# Altium PCB PCB1.PcbDoc (continued)
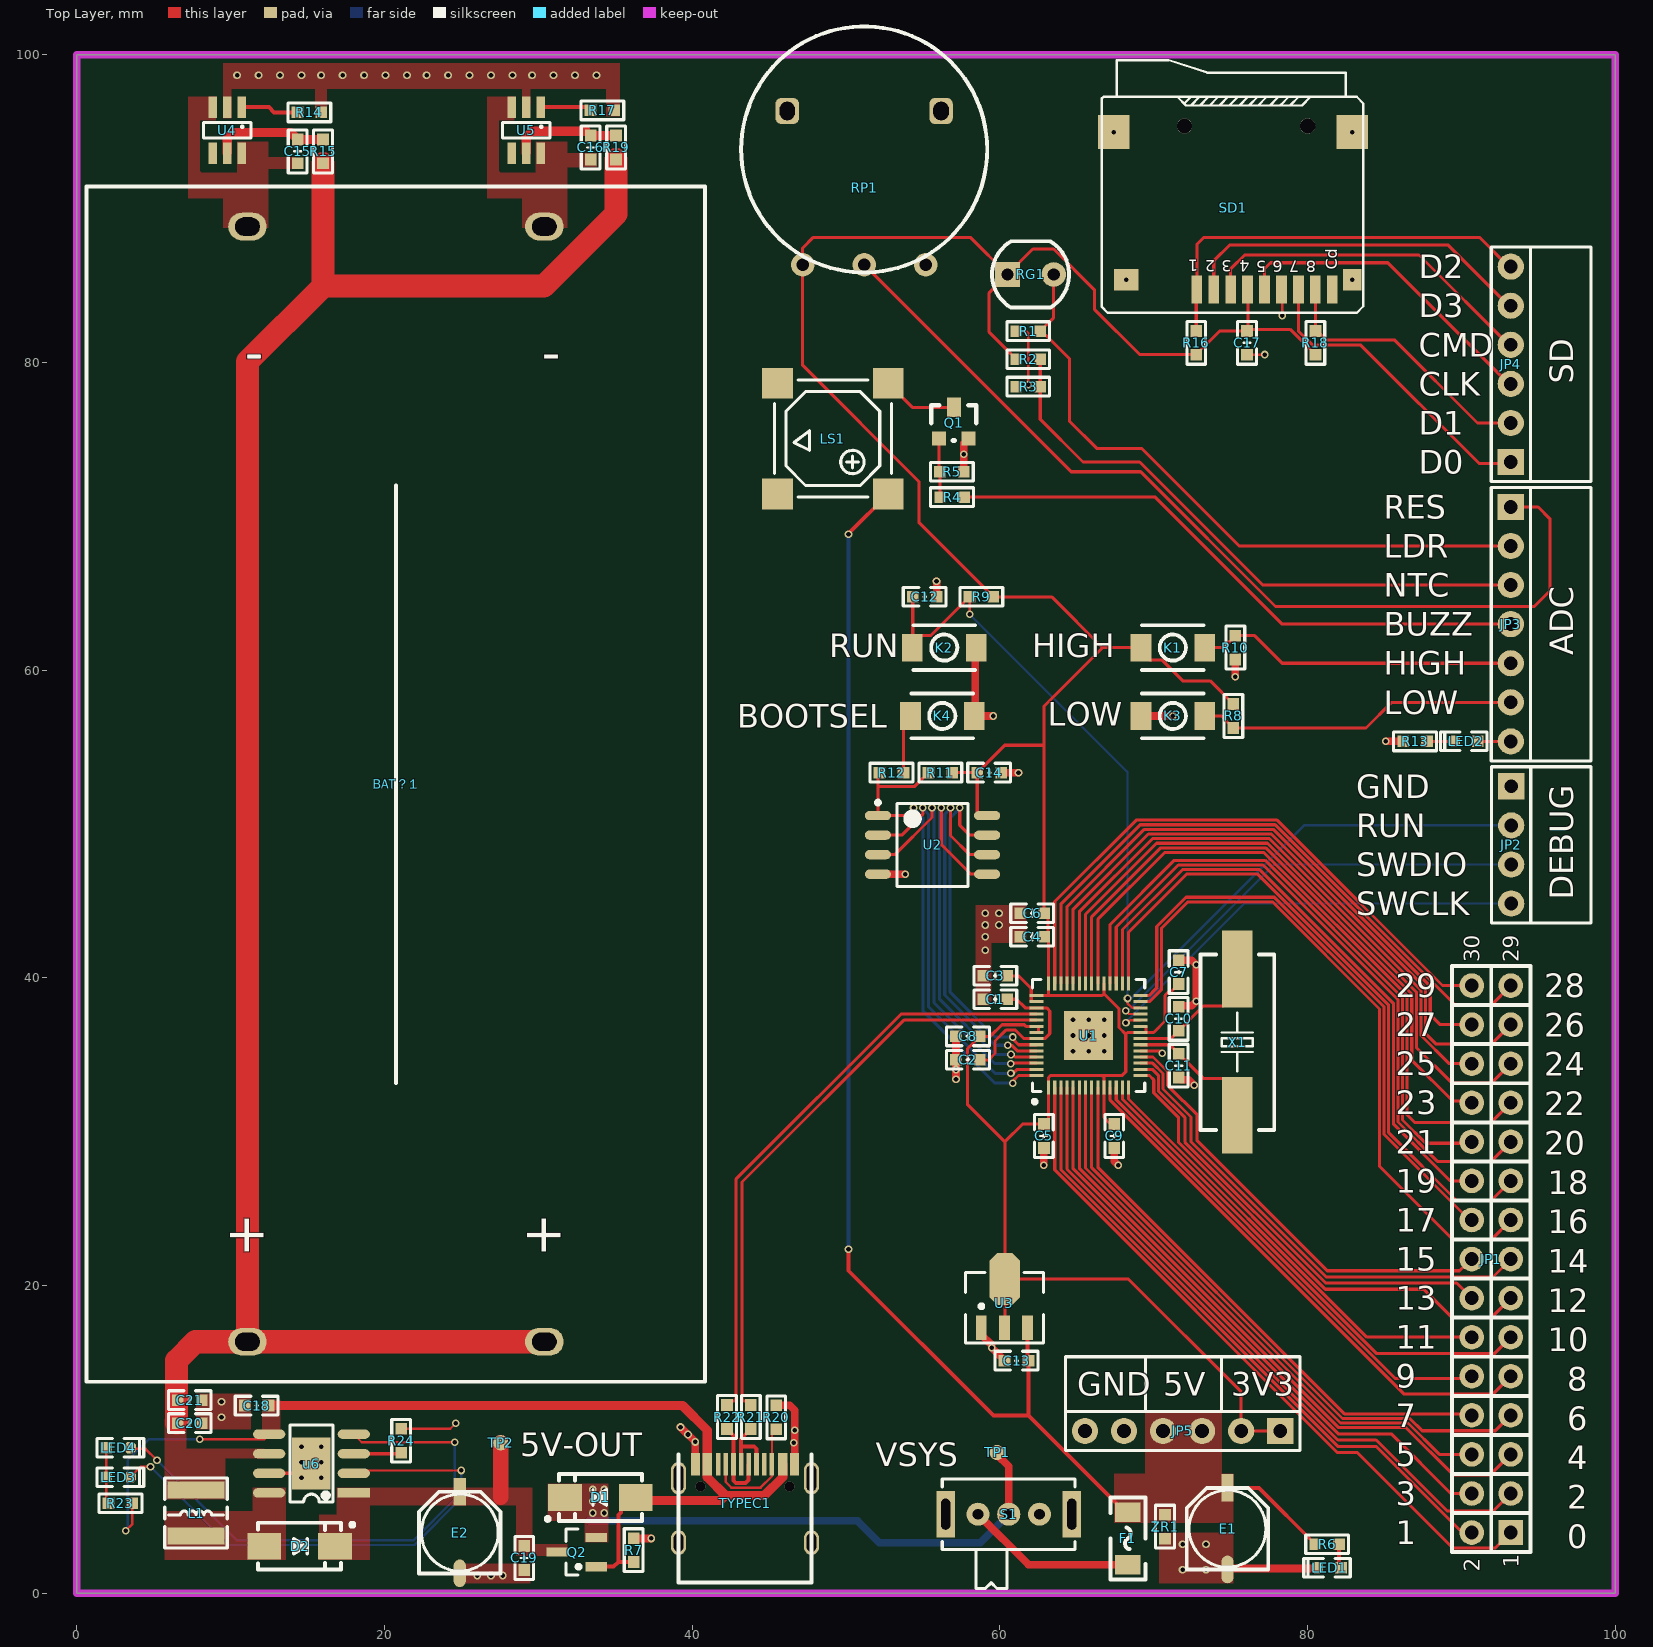
[diagram p0: Top Layer view]
## Footprints (in the part's own frame and the unit in brackets; to place one, negate y for a bottom-side part, rotate by r counter-clockwise, add the part's x,y. Pads: shape width x height; smd on the part's side, far side on the other; paste and mask are expansions set on the pad) (continued)
SMA [mm] "4.5x2.6*2.2mm（长宽高，不包括引脚）"
  rect 2.2x1.75 smd: 1(-2.3,0) 2(2.3,0)
  silkscreen extent -2.7,-1.52 3.56,1.52, body extent -2.53,-1.3 2.58,1.3, height 2.15
SOIC-8-208MIL [mm] "SOIC, 8-Leads, Body 5.28x5.28mm, Pitch 1.27mm, IPC Medium Density"
  oval 1.7x0.6 smd: 1(-3.55,1.905) 2(-3.55,0.635) 3(-3.55,-0.635) 4(-3.55,-1.905) 5(3.55,-1.905) 6(3.55,-0.635) 7(3.55,0.635) 8(3.55,1.905)
  silkscreen extent -3.67,-2.7 2.3,2.88, body extent -2.7,-2.7 2.7,2.7, height 1.95
SOT23 [mm]
  rect 0.6x1.4 smd: D(0.95,2.514) G(0,0) S(1.9,0)
  silkscreen extent -0.55,1.02 2.45,1.97, body extent -0.56,0.22 2.44,2.62, height 1.05
SOT23-6 [mm]
  rect 0.55x1.4 smd: 1(0,0) 2(0.95,0) 3(1.9,0) 4(1.9,3) 5(0.95,3) 6(0,3)
  silkscreen extent -0.6,0.99 2.5,2.01, body extent -0.55,0 2.45,2.81, height 1.15
SOT89 [mm]
  rect 0.7x1.6 smd: 1(0,0) 2(1.5,-0.003) 3(3,0)
  oct 2x3.4 smd: 2(1.525,3.172)
  silkscreen extent -1.04,-0.99 4.04,3.58, body extent -0.79,-0.37 3.81,3.93, height 1.6
SOT-23 [mil]
  rect 36x36 smd: 1(0,0) 2(75,0)
  rect 36x50 smd: 3(38,80)
  silkscreen extent -20,-5 95,85
"TEST 1" [mm] "测试点1mm"
  round 1 smd paste-1: 1(0,0)
TYPEC-16P [mm]
  oval 1x2.1 hole 1.7 slot 0.6 at 0 deg: 1(-4.32,-0.915) 2(4.32,-0.915)
  oval 1x1.6 hole 1.2 slot 0.6 at 0 deg: 3(4.32,-5.095) 4(-4.32,-5.095)
  rect 0.6x1.45 smd: A1B12(-3.225,0) A4B9(-2.45,0) A9B4(2.45,0) A12B1(3.225,0)
  rect 0.3x1.45 smd: A5(-1.25,0) A6(-0.25,0) A7(0.25,0) A8(1.25,0) B5(1.75,0) B6(0.75,0) B7(-0.75,0) B8(-1.75,0)
  round 0.65 hole 0.65 unplated: ""(-2.89,-1.445) ""(2.89,-1.445)
  silkscreen extent -4.32,-7.7 4.32,0.63
拨盘电位器 [mm]
  round 1.524 hole 0.8: 1(-4,-7.5) 2(0,-7.5) 3(4,-7.5)
  rrect50% 1.524x1.7 hole 1.2 slot 1 at 0 deg: ""(-5,2.5) ""(5,2.5)
  silkscreen extent -8,-8 8,8
轻触按键 [mm] "TS-1088"
  rect 1.35x1.8 smd: 1(-2.075,0) 2(2.075,0)
  silkscreen extent -2,-1.45 2,1.45

## Part data
C1: library part CAP, "靠近RP2040"
C2: library part CAP, "无极性电容"
C3 C4 C5 C6 C7 C8 C9 C10 C11 C12 C13 C14 C15 C16 C17 C18 C19 C20 C21: library part C, "无极性贴片电容", BOM名称=无极性贴片电容, 学习资源=www.ooocke.com, 材质=X7R, 版权归属=源创客
D1 D2: library part SS210, "肖特基二极管", BOM名称=肖特基二极管, 学习资源=www.ooocke.com, 版权归属=源创客
E1 E2: library part C-CM, "贴片电解电容", BOM名称=贴片电解电容, 学习资源=www.ooocke.com, 版权归属=源创客
F1: library part FU, "贴片保险丝", BOM名称=贴片保险丝, 学习资源=www.ooocke.com, 版权归属=源创客
JP1: library part "Header 15X2", "15*2P接插件", BOM名称=15*2P接插件, 学习资源=www.ooocke.com, 版权归属=源创客
JP2: library part "Header 4", "4P接插件", BOM名称=4P接插件, 学习资源=www.ooocke.com, 版权归属=源创客
JP3: library part "Header 7", "7P接插件", BOM名称=7P接插件, 学习资源=www.ooocke.com, 版权归属=源创客
JP4 JP5: library part "Header 6", "6P接插件", BOM名称=6P接插件, 学习资源=www.ooocke.com, 版权归属=源创客
K1 K2 K3 K4: library part 两脚轻触开关
L1: library part L-NR, "NR磁胶电感", BOM名称=NR磁胶电感, 学习资源=www.ooocke.com, 版权归属=源创客
LED1 LED2 LED3 LED4: library part LED-SMD, "贴片LED", BOM名称=贴片LED, 学习资源=www.ooocke.com, 版权归属=源创客
LS1: library part BEEP, "蜂鸣器", BOM名称=蜂鸣器, 学习资源=www.ooocke.com, 版权归属=源创客
Q1: library part 8050-SMD, "高频放大-NPN型", BOM名称=高频放大-NPN型, 学习资源=www.ooocke.com, 属性="40V 1.5A 1W 100MHZ", 版权归属=源创客
Q2: library part P-MOS, "P沟道场效应管"
R1 R2 R3 R4 R5 R6 R7 R8 R9 R10 R12 R13 R14 R16 R17 R18 R20 R21 R22 R23 R24: library part R, "贴片电阻", BOM名称=贴片电阻, 学习资源=www.ooocke.com, 版权归属=源创客
R11 R15 R19: library part RES
RG1: "光敏电阻"
RP1: library part RP-SMD, "贴片电位器", BOM名称=贴片电位器, 学习资源=www.ooocke.com, 版权归属=源创客
S1: library part SSW-1P, "1路波动开关", BOM名称=波动开关, 学习资源=www.ooocke.com, 版权归属=源创客
TP1 TP2: library part TEST, "测试点", BOM名称=测试点, 学习资源=www.ooocke.com, 版权归属=源创客
U3: "三端稳压芯片"
X1: library part XTAL-2P, "2脚无源脚晶振"
ZR1: library part R_VDR, "压敏电阻", BOM名称=压敏电阻, 学习资源=www.ooocke.com, 版权归属=源创客

## Via types
v1: diameter 0.5, hole 0.3, Top Layer to Bottom Layer, tented both sides, 106 vias
v2: diameter 0.5, hole 0.3, Top Layer to Bottom Layer, 3 vias

## Nets (pads, with @x,y where several pads share a name; then routed paths per layer and width w, separated by ;. In a path a pad name is that pad's centre, name@x,y a point inside that pad or via, vN(x,y) a via of type N, cw(c..) or ccw(c..) an arc to the next point about the centre after c; other vN are vias at no path point)
3V3: C3.2 C4.2 C5.2 C6.2 C7.2 C8.2 C9.2 C14.1 C17.1 JP5.1 JP5.2 K1.1 R2.1 R8.2 R9.1 R11.2 R16.2 R18.2 RG1.1 RP1.1 SD1.4 U1.1 U1.10 U1.22 U1.23 U1.33 U1.42 U1.43 U1.44 U1.48 U1.49 U2.8 U3.2 | length 213.4
  Top Layer w0.2: R11.2 C14.1 ; U2.8 58.734,50.546 58.532,50.748 C14.1 ; U3.2@60.298,17.248 60.323,17.274 U3.2@60.323,20.423 ; C3.2 61.214,40.132 62.045,39.301 62.045,38.449 U1.44 ; R2.1 59.309,81.973 59.309,84.534 RG1.1 ; U1.49 62.512,36.449 62.512,36.849 61.695,36.849 61.595,36.949 60.139,36.949 59.385,36.195 C8.2 57.912,35.403 57.912,31.747 60.323,29.335 ; U1.43 66.653,38.849 66.77,38.966 ; C6.2 62.88,55.118 ; C6.2@63.134,44.196 63.134,42.672 63.17,42.636 U1.42 63.17,38.849 ; U1.33 66.77,38.966 ; C9.2@67.183,30.495 66.77,30.908 U1.10 66.77,33.519 66.653,33.636 ; U1.22 68.302,36.449 68.185,36.332 ; U1.23 69.495,36.849 69.495,36.526 69.572,36.449 69.999,36.449 70.739,37.189 70.739,38.862 70.907,39.03 71.064,39.03 C7.2 ; R8.2 73.675,59.309 71.882,59.309 70.523,60.668 69.747,60.668 69.172,61.243 K1.1 66.675,61.468 ; SD1.4@76.129,84.82 C17.1@76.129,82.159 ; JP5.1 JP5.2 75.692,13.081 68.35,20.423 U3.2@60.323,20.423 ; R18.2@80.518,80.518 78.877,82.159 C17.1@76.129,82.159 ; C14.1 60.31,55.118 62.88,55.118 ; U3.2@60.323,20.423 60.323,29.335 ; 60.323,29.335 61.483,30.495 C5.2 63.17,30.8 U1.1 63.17,33.519 63.287,33.636 66.653,33.636 ; RG1.1 62.151,87.376 63.5,87.376 66.167,84.709 66.167,83.439 69.088,80.518 72.756,80.518 74.28,82.042 76.012,82.042 C17.1@76.129,82.159 ; RG1.1 58.087,88.138 47.879,88.138 47.181,87.44 RP1.1 47.181,79.819 54.737,72.263 54.737,69.611 R9.1 63.373,64.77 66.675,61.468 ; 62.88,55.118 62.88,57.673 66.675,61.468 ; 66.653,33.636 67.926,33.636 68.185,33.895 68.185,36.332 ; 66.77,38.966 67.742,37.994 67.742,36.774 68.185,36.332
5VOUT: C19.2 D2.2 E2.1 Q2.D TP2.1 u6.1 | length 3.6
  Top Layer w1: 27.559,6.223 TP2.1
+5: C13.2 E1.1 F1.2 JP5.3 JP5.4 LS1.1 R6.2 U3.3 ZR1.2 | length 89.2
  Top Layer w0.254: v1(50.165,22.352) 50.165,20.955 59.578,11.542 61.864,11.542 ; v1(50.165,68.834) 50.165,68.873 LS1.1 ; U3.3 61.798,15.179 C13.2 61.864,11.542 ; F1.2 68.135,5.271 61.864,11.542 ; E1.1 76.837,6.841 R6.2
  Bottom Layer w0.254: v1(50.165,22.352) v1(50.165,68.834)
ADC_LIGHT: JP3.2 R1.2 RG1.2 | length 42.8
  Top Layer w0.2: RG1.2 63.5,82.916 62.682,82.098 R1.2 62.907,81.761 63.019,81.761 63.768,81.012 64.516,80.264 64.516,76.2 66.294,74.422 69.215,74.422 75.565,68.072 JP3.2
ADC_RES: JP3.1 RP1.2 | length 61.8
  Top Layer w0.2: RP1.2 64.636,72.898 69.156,72.898 77.919,64.135 94.742,64.135 95.758,65.151 95.758,69.853 94.999,70.612 JP3.1
ADC_TEMP: JP3.3 R2.2 R3.2 | length 39
  Top Layer w0.2: R2.2 R3.2 62.626,76.312 65.405,73.533 69.088,73.533 77.089,65.532 JP3.3
B1-: BAT？1.4 C15.2 U4.3 U4.6 | length 0.3
  Top Layer w0.254: BAT？1.4@10.877,89.053 BAT？1.4
B2-: BAT？1.3 C16.2 U5.3 U5.6
BAT+: BAT？1.1 BAT？1.2 C20.2 C21.2 L1.2 R15.2 R19.2 u6.6 | length 132.9
  Top Layer w1: L1.2@6.527,6.711 7.743,6.711 L1.2
  Top Layer w1.5: C20.2@6.477,11.049 6.477,12.543 6.477,15.113 7.704,16.34 BAT？1.1 ; R15.2 16.002,84.963 ; BAT？1.2 BAT？1.1 ; R19.2 35.052,89.662 30.353,84.963 16.002,84.963 ; BAT？1.1 11.09,80.051 16.002,84.963
BEEPER: JP3.4 R4.1 | length 39
  Top Layer w0.2: R4.1@57.658,71.247 70.104,71.247 78.359,62.992 JP3.4
BOOTSEL: K4.2 R12.2 | length 3.9
  Top Layer w0.2: R12.2 53.736,56.573 K4.2
CC: R20.1 TYPEC1.A5 TYPEC1.B5 | length 7.8
  Top Layer w0.15: TYPEC1.A5 42.184,7.219 42.545,6.858 44.45,6.858 45.184,7.592 TYPEC1.B5 45.184,10.371 R20.1
D_N: R22.1 U1.46 | length 39
  Top Layer w0.2: R22.1 42.536,12.492 42.723,12.492 42.84,12.609 42.84,26.896 53.593,37.649 U1.46
D_P: R21.1 U1.47 | length 38.4
  Top Layer w0.2: R21.1 43.545,12.492 43.357,12.492 43.24,12.609 43.24,26.73 53.759,37.249 U1.47
GND: C1.1 C2.1 C3.1 C4.1 C5.1 C6.1 C7.1 C8.1 C9.1 C10.1 C11.1 C12.1 C13.1 C14.2 C17.2 C18.1 C19.1 C20.1 C21.1 E1.2 E2.2 JP2.1 JP5.5 JP5.6 K2.2 K3.1 K4.1 LED1.2 Q1.2 R1.1 R3.1 R5.1 R7.1 R10.1 R13.1 R14.1 R17.1 R20.2 R24.1 RP1.3 SD1.0 SD1.6 TYPEC1.A1B12 TYPEC1.A12B1 U1.19 U1.57 U2.4 U3.1 U4.2 U5.2 u6.7 u6.9 ZR1.1 | length 62.9
  Top Layer w0.15: R24.1 24.272,10.683 v1(24.638,11.049) ; R3.1 61.722,78.432 v1(61.849,78.559) 61.849,81.915 61.722,82.042 R1.1 ; C17.2 77.201,80.503 v1(77.216,80.518) ; SD1.6@78.329,84.82 78.359,84.79 v1(78.359,83.058)
  Top Layer w0.2: u6.7 15.25,7.79 u6.9 ; v1(65.77,36.249) U1.57@66.77,35.249 ; U1.19 70.406,35.249 v1(70.565,35.091)
  Top Layer w0.5: R7.1 36.21,3.556 v1(37.338,3.556) ; v1(39.243,10.795) v1(40.209,9.829) TYPEC1.A1B12 ; R20.2 46.34,12.207 46.659,11.888 v1(46.659,10.591) TYPEC1.A12B1 ; U2.4 v2(53.848,46.736) ; v1(55.88,65.786) 55.895,65.771 C12.1 ; v1(57.15,33.401) C2.1 C8.1 ; R5.1 57.658,74.752 Q1.2 ; K2.2 58.399,61.404 58.399,57.087 K4.1 v1(59.563,57.023) ; U3.1 58.798,16.802 59.472,16.128 v1(59.472,15.951) C13.1 ; C14.2 v1(61.214,53.34) ; v1(62.865,27.813) C5.1 ; C9.1 67.437,28.067 v1(67.691,27.813) ; K3.1 v1(71.247,57.023) ; C11.1 71.759,33.382 72.282,33.382 v1(72.644,33.02) ; C10.1 71.701,38.188 72.478,38.188 v1(72.771,38.481) v1(72.771,40.855) 72.478,41.148 C7.1 ; E1.2 74.858,1.596 80.575,1.596 LED1.2 ; v1(75.311,59.563) R10.1 ; v1(85.09,55.372) R13.1
  other v1: 26.035,1.143 26.924,1.143 27.686,1.143 71.882,1.524 73.406,1.524 71.882,3.175 73.406,3.175 14.605,7.493 14.605,8.509 14.605,9.525 15.875,9.525 46.609,9.779 39.726,10.312 9.398,11.43 9.398,12.446 57.15,34.036 64.754,35.233 65.77,35.233 66.786,35.233 64.754,36.249 66.786,36.249 64.754,37.265 65.77,37.265 66.786,37.265 59.055,41.783 59.055,42.672 59.055,43.434 59.944,43.434 59.055,44.196 59.944,44.196 57.658,74.041 68.209,85.377 82.909,85.377 67.409,94.977 82.909,94.977 10.414,98.679 11.811,98.679 13.208,98.679 14.605,98.679 15.875,98.679 17.272,98.679 18.669,98.679 20.066,98.679 21.463,98.679 22.733,98.679 24.13,98.679 25.527,98.679 26.924,98.679 28.321,98.679 29.591,98.679 30.988,98.679 32.385,98.679 33.782,98.679
  other v2: 15.875,7.493 15.875,8.509
GPIO0: JP1.1 U1.2 | length 45.6
  Top Layer w0.2: U1.2 63.57,27.516 81.954,9.132 83.251,9.132 89.445,2.937 92.218,2.937 JP1.1
GPIO1: JP1.2 U1.3 | length 41.8
  Top Layer w0.2: U1.3 63.97,27.54 81.967,9.544 84.457,9.544 90.064,3.937 JP1.2
GPIO2: JP1.3 U1.4 | length 43.8
  Top Layer w0.2: U1.4 64.37,27.565 81.979,9.956 84.469,9.956 89.088,5.337 92.078,5.337 JP1.3
GPIO3: JP1.4 U1.5 | length 39.9
  Top Layer w0.2: U1.5 64.77,27.589 82.003,10.356 85.445,10.356 89.324,6.477 JP1.4
GPIO4: JP1.5 U1.6 | length 42.1
  Top Layer w0.2: U1.6 65.17,27.613 82.027,10.756 86.411,10.756 89.479,7.688 91.889,7.688 JP1.5
GPIO5: JP1.6 U1.7 | length 38.1
  Top Layer w0.2: U1.7 65.57,27.637 82.152,11.056 86.535,11.056 88.574,9.017 JP1.6
GPIO6: JP1.7 U1.8 | length 40
  Top Layer w0.2: U1.8 65.97,27.662 82.276,11.356 86.66,11.356 87.459,10.557 92.218,10.557 JP1.7
GPIO7: JP1.8 U1.9 | length 36.2
  Top Layer w0.2: U1.9 66.37,27.686 82.4,11.656 90.579,11.656 JP1.8
GPIO8: JP1.9 U1.11 | length 35.3
  Top Layer w0.2: U1.11 67.17,32.051 86.287,12.934 92.055,12.934 JP1.9
GPIO9: JP1.10 U1.12 | length 31.5
  Top Layer w0.2: U1.12 67.57,32.075 85.686,13.959 90.54,13.959 JP1.10
GPIO10: JP1.11 U1.13 | length 33.3
  Top Layer w0.2: U1.13 67.97,32.1 84.505,15.565 92.146,15.565 JP1.11
GPIO11: JP1.12 U1.14 | length 29.5
  Top Layer w0.2: U1.14 68.37,32.124 83.857,16.637 JP1.12
GPIO12: JP1.13 U1.15 | length 32.6
  Top Layer w0.2: U1.15 69.727,33.649 70.006,33.37 70.006,32.523 71.628,30.902 71.628,29.29 81.163,19.755 87.56,19.755 89.408,17.907 91.948,17.907 JP1.13
GPIO13: JP1.14 U1.16 | length 29.2
  Top Layer w0.2: U1.16 69.914,34.049 70.306,33.656 70.306,32.648 72.028,30.926 72.028,29.315 81.188,20.155 89.7,20.155 JP1.14
GPIO14: JP1.15 U1.17 | length 31.8
  Top Layer w0.2: U1.17 69.938,34.449 70.606,33.78 70.606,32.772 72.428,30.95 72.428,29.339 81.212,20.555 92.056,20.555 JP1.15
GPIO15: JP1.16 U1.18 | length 29.1
  Top Layer w0.2: U1.18 69.962,34.849 70.906,33.905 70.906,33.013 71.024,32.896 72.828,31.092 72.828,29.407 81.28,20.955 89.884,20.955 90.646,21.717 JP1.16
GPIO16: JP1.17 U1.27 | length 44.7
  Top Layer w0.2: U1.27 69.729,38.449 70.504,39.224 70.504,43.211 72.231,44.937 77.723,44.937 84.682,37.978 84.682,27.751 89.457,22.976 91.937,22.976 JP1.17
GPIO17: JP1.18 U1.28 | length 40.1
  Top Layer w0.2: U1.28 69.705,38.849 70.104,39.248 70.104,39.251 70.204,39.351 70.204,43.335 72.107,45.237 77.847,45.237 84.982,38.103 84.982,29.81 90.535,24.257 JP1.18
GPIO18: JP1.19 U1.29 | length 43.9
  Top Layer w0.2: U1.29 68.37,42.97 72.136,46.736 76.773,46.736 85.282,38.227 85.282,29.934 89.689,25.527 91.948,25.527 JP1.19
GPIO19: JP1.20 U1.30 | length 40.8
  Top Layer w0.2: U1.30 67.97,43.136 71.87,47.036 76.897,47.036 85.582,38.351 85.582,30.506 89.291,26.797 JP1.20
GPIO20: JP1.21 U1.31 | length 44.2
  Top Layer w0.2: U1.31 67.57,43.301 71.605,47.336 77.12,47.336 85.882,38.574 85.882,30.631 88.445,28.067 91.948,28.067 JP1.21
GPIO21: JP1.22 U1.32 | length 41.4
  Top Layer w0.2: U1.32 67.17,43.467 71.339,47.636 77.247,47.636 86.182,38.701 86.182,30.755 87.693,29.244 90.585,29.244 JP1.22
GPIO22: JP1.23 U1.34 | length 45.2
  Top Layer w0.2: U1.34 66.37,43.798 70.722,48.15 77.157,48.15 86.482,38.826 86.482,31.081 86.955,30.607 91.948,30.607 JP1.23
GPIO23: JP1.24 U1.35 | length 40.3
  Top Layer w0.2: U1.35 65.97,43.964 70.456,48.45 77.281,48.45 86.782,38.95 86.782,34.646 89.424,32.004 90.551,32.004 JP1.24
GPIO24: JP1.25 U1.36 | length 43.2
  Top Layer w0.2: U1.36 65.57,44.13 70.19,48.75 77.406,48.75 87.082,39.074 87.082,35.473 89.408,33.147 91.948,33.147 JP1.25
GPIO25: JP1.26 U1.37 | length 39.9
  Top Layer w0.2: U1.37 65.17,44.295 69.925,49.05 77.53,49.05 87.382,39.198 87.382,36.248 89.213,34.417 JP1.26
GPIO26: JP1.27 U1.38 | length 43.2
  Top Layer w0.2: U1.38 64.77,44.461 69.659,49.35 77.654,49.35 87.682,39.323 87.682,36.372 88.367,35.687 91.948,35.687 JP1.27
GPIO27: JP1.28 U1.39 | length 39.7
  Top Layer w0.2: U1.39 64.37,44.627 69.393,49.65 77.778,49.65 87.982,39.447 87.982,37.603 88.627,36.957 JP1.28
GPIO28: JP1.29 U1.40 | length 41.9
  Top Layer w0.2: U1.40 63.97,44.793 69.128,49.95 77.903,49.95 89.626,38.227 91.948,38.227 JP1.29
GPIO29: JP1.30 U1.41 | length 39.1
  Top Layer w0.2: U1.41 63.57,44.958 68.862,50.25 78.027,50.25 88.78,39.497 JP1.30
HIGH_TRIG: JP3.5 K1.2 R10.2 | length 21
  Top Layer w0.2: K1.2 74.534,61.468 R10.2 76.566,62.245 78.359,60.452 JP3.5
LED: JP3.7 LED2.1 | length 2.1
  Top Layer w0.2: LED2.1 JP3.7
LOW_TRIG: JP3.6 K3.2 R8.1 | length 20.9
  Top Layer w0.2: K3.2 74.407,57.023 R8.1 83.805,56.246 85.471,57.912 JP3.6
NetC1_2: C1.2 C2.2 U1.45 U1.50 | length 10.7
  Top Layer w0.2: C2.2 59.285,34.671 59.69,35.076 59.69,35.896 60.393,36.599 61.019,36.599 61.283,36.335 61.569,36.049 62.922,36.049 63.246,36.373 63.246,37.846 63.043,38.049 U1.45 61.646,38.049 61.087,38.608 C1.2
NetC15_1: C15.1 R15.1 U4.5 | length 7.6
  Top Layer w0.6: U4.5 9.779,94.593 10.136,94.951 13.903,94.951 C15.1 R15.1
NetC16_1: C16.1 R19.1 U5.5 | length 7.2
  Top Layer w0.6: U5.5 29.21,94.687 29.561,95.038 33.12,95.038 C16.1 R19.1
NetD1_2: D1.2 Q2.S S1.2 TP1.1 | length 33
  Top Layer w0.5: TP1.1 59.817,9.009 60.579,8.247 S1.2
  Bottom Layer w0.5: 33.274,4.699 50.745,4.699 52.164,3.28 58.729,3.28 S1.2
  other v1: 33.528,5.207 34.29,5.207 33.528,5.969 34.29,5.969 33.528,6.731 34.29,6.731
NetD2_1: D2.1 L1.1 u6.8
NetF1_1: F1.1 S1.1 | length 11.1
  Top Layer w0.5: S1.1 61.868,1.841 F1.1
NetLED1_1: LED1.1 R6.1 | length 1.6
  Top Layer w0.254: R6.1 82.057,1.778 LED1.1
NetLED2_2: LED2.2 R13.2 | length 1.7
  Top Layer w0.2: R13.2 LED2.2
NetLED3_1: LED3.1 LED4.1 R23.1 | length 3.7
  Top Layer w0.15: LED4.1 LED3.1 1.915,5.98 R23.1
NetLED3_2: LED3.2 u6.2 | length 34
  Top Layer w0.15: LED3.2 4.142,8.212 v1(4.783,8.212) ; u6.2 18.187,7.977 v1(24.993,7.977)
  Bottom Layer w0.15: v1(4.783,8.212) 9.865,3.129 21.94,3.129 24.993,6.182 v1(24.993,7.977)
NetLED4_2: LED4.2 u6.4 | length 35.2
  Top Layer w0.15: LED4.2 3.544,9.375 4.468,9.375 v1(5.207,8.636) ; u6.4 18.519,9.811 v1(24.568,9.811)
  Bottom Layer w0.15: v1(5.207,8.636) 10.414,3.429 21.886,3.429 24.568,6.11 v1(24.568,9.811)
NetLS1_2: LS1.2 Q1.3 | length 4.9
  Top Layer w0.2: LS1.2 54.317,77.089 Q1.3
NetQ1_1: Q1.1 R4.2 R5.2 | length 3.8
  Top Layer w0.2: Q1.1 56.058,72.944 R5.2 56.104,71.277 R4.2@56.134,71.247
NetR14_2: R14.2 U4.1 | length 3.7
  Top Layer w0.254: U4.1 12.479,96.599 12.812,96.266 R14.2
NetR17_2: R17.2 U5.1 | length 3.3
  Top Layer w0.254: U5.1 33.18,96.599 R17.2
NetR21_2: R21.2 TYPEC1.A6 TYPEC1.B6 | length 4.6
  Top Layer w0.254: TYPEC1.A6 43.18,8.386 43.18,9.525 ; R21.2 43.18,10.033 43.18,9.525 ; TYPEC1.B6 44.184,9.376 44.035,9.525 43.18,9.525
NetR22_2: R22.2 TYPEC1.A7 TYPEC1.B7 | length 5.7
  Top Layer w0.254: R22.2 42.684,10.25 42.684,7.309 42.833,7.16 43.46,7.16 43.661,7.361 43.661,8.359 TYPEC1.A7
NetR24_2: R24.2 u6.3 | length 3.1
  Top Layer w0.254: u6.3 21.054,9.06 R24.2@21.082,9.032 ; R24.2 R24.2@21.097,9.144
QSPI_SCLK: U1.52 U2.6 | length 24.5
  Top Layer w0.2: v1(56.794,51.054) 56.794,49.253 58.041,48.006 U2.6 ; v1(60.516,35.617) 60.765,35.617 61.133,35.249 U1.52
  Bottom Layer w0.2: v1(56.794,51.054) 56.794,51.018 56.419,50.643 56.419,38.888 59.69,35.617 v1(60.516,35.617)
QSPI_SD0: U1.53 U2.5 | length 26.5
  Top Layer w0.2: v1(56.194,51.054) 56.194,48.664 58.122,46.736 U2.5 ; v1(60.729,35.017) 60.81,35.017 60.978,34.849 U1.53
  Bottom Layer w0.2: v1(56.194,51.054) 56.069,50.929 56.069,38.638 59.69,35.017 v1(60.729,35.017)
QSPI_SD1: U1.55 U2.2 | length 26.6
  Top Layer w0.2: U2.2@51.435,49.276 53.627,49.276 54.994,50.643 v1(54.994,51.054) ; v1(60.721,33.792) 60.876,33.792 61.133,34.049 U1.55
  Bottom Layer w0.2: v1(54.994,51.054) 54.994,51.018 55.369,50.643 55.369,38.113 59.69,33.792 v1(60.721,33.792)
QSPI_SD2: U1.54 U2.3 | length 26.2
  Top Layer w0.2: U2.3 53.174,48.006 55.594,50.426 v1(55.594,51.054) ; v1(60.706,34.417) 60.738,34.449 U1.54
  Bottom Layer w0.2: v1(55.594,51.054) 55.719,50.929 55.719,38.388 59.69,34.417 v1(60.706,34.417)
QSPI_SD3: U1.51 U2.7 | length 22.5
  Top Layer w0.2: v1(57.394,51.054) 57.394,49.922 58.04,49.276 U2.7 ; v1(60.833,36.149) 60.833,36.03 61.214,35.649 U1.51
  Bottom Layer w0.2: v1(57.394,51.054) 57.394,51.018 56.769,50.393 56.769,39.07 59.69,36.149 v1(60.833,36.149)
QSPI_SS: R11.1 R12.1 U1.56 U2.1 | length 32.1
  Top Layer w0.2: R12.1 52.076,53.234 52.076,52.451 ; v1(54.394,51.054) 53.895,50.555 52.085,50.555 U2.1 52.076,52.451 ; R11.1 54.468,52.451 52.076,52.451 ; v1(60.833,33.149) 60.833,33.268 61.214,33.649 U1.56
  Bottom Layer w0.2: v1(54.394,51.054) 54.394,51.018 55.019,50.393 55.019,37.82 59.69,33.149 v1(60.833,33.149)
RUN: C12.2 JP2.2 K2.1 R9.2 U1.26 | length 69.5
  Top Layer w0.15: R9.2 58.039,64.755 v1(58.039,63.627) ; v1(68.305,38.662) 68.305,38.338 68.594,38.049 U1.26
  Top Layer w0.2: K2.1 54.341,61.496 K2.1@54.341,61.721 ; C12.2 K2.1@54.341,61.721 ; R9.2 55.522,62.268 54.888,62.268 K2.1@54.341,61.721
  Bottom Layer w0.15: v1(58.039,63.627) 68.072,53.594 68.275,53.391 68.305,53.361 v1(68.305,38.662) 68.528,38.662 79.778,49.911 JP2.2
SD_CLK: JP4.3 SD1.5 | length 20.7
  Top Layer w0.2: SD1.5@77.209,84.877 77.209,86.099 77.597,86.487 85.217,86.487 JP4.3@93.218,78.486
SD_CMD: JP4.4 SD1.3 | length 22.3
  Top Layer w0.2: SD1.3@75.009,84.877 75.009,86.089 75.915,86.995 87.249,86.995 JP4.4@93.218,81.026
SD_D0: JP4.1 SD1.7 | length 20.2
  Top Layer w0.2: SD1.7@79.409,84.877 79.409,82.051 80.307,81.153 83.439,81.153 91.159,73.433 93.118,73.433 JP4.1
SD_D1: JP4.2 R18.1 SD1.8 | length 17.9
  Top Layer w0.2: SD1.8@80.529,84.82 80.529,82.159 81.235,81.453 85.679,81.453 91.059,76.073 JP4.2
SD_D2: JP4.6 R16.1 SD1.1 | length 27
  Top Layer w0.2: R16.1@72.771,82.042 SD1.1@72.771,84.762 ; SD1.1@72.809,84.877 72.809,87.668 73.279,88.138 91.186,88.138 JP4.6@93.218,86.106
SD_D3: JP4.5 SD1.2 | length 23.1
  Top Layer w0.2: SD1.2@73.909,84.877 73.909,86.609 74.93,87.63 89.154,87.63 JP4.5@93.218,83.566
SWCLK: JP2.4 U1.24 | length 29.3
  Top Layer w0.15: v1(68.199,37.084) 68.294,37.084 68.459,37.249 U1.24
  Bottom Layer w0.15: v1(68.199,37.084) 68.199,37.164 68.238,37.203 68.26,37.203 75.888,44.831 JP2.4
SWDIO: JP2.3 U1.25 | length 30
  Top Layer w0.15: v1(68.192,37.849) 68.393,37.649 U1.25
  Bottom Layer w0.15: v1(68.192,37.849) 68.232,37.889 68.357,37.889 77.839,47.371 JP2.3
VBUS: C18.2 D1.1 Q2.G R7.2 R23.2 TYPEC1.A4B9 TYPEC1.A9B4 u6.5 | length 68.9
  Top Layer w0.15: v1(3.175,4.064) 3.607,4.496 R23.2 ; v1(7.995,9.993) 12.163,9.993 u6.5
  Top Layer w0.254: Q2.G 34.898,1.717 35.199,2.017 ; R7.2 35.199,2.017 ; D1.1 36.111,6.223 35.363,5.475 35.363,5.25 35.199,5.086 35.199,2.017
  Top Layer w0.6: C18.2 39.37,12.192 40.984,10.578 TYPEC1.A4B9 40.984,7.53 42.164,6.35 ; D1.1 36.542,6.017 41.831,6.017 42.164,6.35 ; TYPEC1.A9B4 45.884,7.541 44.693,6.35 42.164,6.35
  Bottom Layer w0.15: v1(3.175,4.064) 3.175,4.159 3.302,4.286 3.302,8.636 4.659,9.993 v1(7.995,9.993)
X1: C10.2 U1.21 X1.1 | length 9
  Top Layer w0.2: U1.21 71.116,36.049 C10.2 73.231,38.164 74.538,38.164 75.438,39.064 X1.1
X2: C11.2 U1.20 X1.2 | length 9.1
  Top Layer w0.2: U1.20 71.046,35.649 73.231,33.464 74.538,33.464 75.438,32.564 X1.2
pads on no net: LS1.3 LS1.4 RP1. S1.0 S1.3 SD1. SD1.9 TYPEC1. TYPEC1.1 TYPEC1.2 TYPEC1.3 TYPEC1.4 TYPEC1.A8 TYPEC1.B8 U4.4 U5.4 u6.10 u6.11

## Polygon pours and split planes (outlines as drawn)
+5 on Top Layer "+5_L01_P031" (solid, pour order 31): 69.469,11.811 69.469,6.985 74.422,6.985 74.422,11.811
BAT+ on Top Layer "BAT+_L01_P030" (solid, pour order 30): 5.715,11.303 5.715,6.096 9.652,6.096 9.652,8.763 12.192,8.763 12.192,9.398 7.112,9.398 7.112,11.303
GND on Top Layer "GND_L01_P029" (solid, pour order 29): 9.525,95.885 9.525,99.441 35.306,99.441 35.306,96.012 34.417,96.012 34.417,97.79 29.464,97.79 29.464,96.774 28.956,96.774 28.956,97.79 16.256,97.79 16.256,96.393 15.494,96.393 15.494,97.79 10.033,97.79 10.033,95.885
GND on Top Layer "GND_L01_P028" (solid, pour order 28): 61.722,42.291 59.436,42.291 59.436,38.227 58.42,38.227 58.42,44.704 61.722,44.704
GND on Top Layer "GND_L01_P027" (solid, pour order 27): 70.358,3.937 75.184,3.937 75.184,0.635 70.358,0.635
GND on Top Layer "GND_L01_P026" (solid, pour order 26): 29.464,1.905 25.273,1.905 25.273,0.635 29.464,0.635
GND on Top Layer "GND_L01_P025" (solid, pour order 25): 7.747,12.954 7.747,10.668 11.303,10.668 11.303,12.954
+5 on Top Layer "+5_L01_P021" (solid, pour order 21): 67.437,4.572 75.184,4.572 75.184,7.747 67.437,7.747
NetD1_2 on Top Layer "NETD1_2_L01_P018" (solid, pour order 18): 33.02,3.302 33.02,4.699 30.607,4.699 30.607,7.112 34.544,7.112 34.544,3.302
5VOUT on Top Layer "5VOUT_L01_P017" (solid, pour order 17): 31.877,2.413 28.575,2.413 28.575,6.858 29.591,6.858 29.591,3.175 31.877,3.175
VBUS on Top Layer "VBUS_L01_P016" (solid, pour order 16): 12.065,12.573 13.208,12.573 13.208,10.541 12.065,10.541
5VOUT on Top Layer "5VOUT_L01_P010" (solid, pour order 10): 16.891,6.858 16.891,5.08 15.748,5.08 15.748,2.159 19.05,2.159 19.05,6.858
5VOUT on Top Layer "5VOUT_L01_P013" (solid, pour order 13): 18.288,6.858 29.083,6.858 29.083,5.715 18.288,5.715
NetD2_1 on Top Layer "NETD2_1_L01_P008" (solid, pour order 8): 11.43,6.858 11.43,5.334 5.715,5.334 5.715,2.159 13.589,2.159 13.589,6.858
B1- on Top Layer "B1-_L01_P006" (solid, pour order 6): 14.224,93.345 12.065,93.345 12.065,92.583 14.224,92.583
B1- on Top Layer "B1-_L01_P004" (solid, pour order 4): 10.414,94.361 10.414,92.329 8.128,92.329 8.001,92.456 8.001,95.758 9.017,95.758 9.017,97.282 7.239,97.282 7.239,90.678 9.525,90.678 9.525,88.773 12.446,88.773 12.446,94.361
B2- on Top Layer "B2-_L01_P003" (solid, pour order 3): 33.782,93.599 33.782,92.71 31.75,92.71 31.496,92.964 31.496,93.599
B2- on Top Layer "B2-_L01_P002" (solid, pour order 2): 29.845,94.361 29.845,92.329 27.559,92.329 27.432,92.456 27.432,95.758 28.448,95.758 28.448,97.282 26.67,97.282 26.67,90.678 28.956,90.678 28.956,88.773 31.877,88.773 31.877,94.361
GND on Bottom Layer "GND_L02_P024" (solid, pour order 24): 0,0 100,0 100,100 0,100
NetD1_2 on Bottom Layer "NETD1_2_L02_P020" (solid, pour order 20): 32.893,7.112 32.893,4.445 34.544,4.445 34.544,7.112

## Keep-outs
Keep-Out Layer:
  the board outline again, w0.5

## Silkscreen, mask and mechanical layers (free items; w line width, h text height)
Top Overlay:
  lines w0.2: 64.262,11.811 64.262,15.367 79.502,15.367 79.502,11.811 ; 69.469,11.811 69.469,15.367 ; 74.422,11.811 74.422,15.367 ; 94.488,43.561 98.425,43.561 98.425,53.721 94.488,53.721 ; 94.488,54.102 98.425,54.102 98.425,71.882 94.488,71.882 ; 94.488,72.263 98.425,72.263 98.425,87.503 94.488,87.503
  text "D2" at 87.249,85.471 h1.52
  text "D3" at 87.249,82.931 h1.52
  text "CMD" at 87.249,80.391 h1.52
  text "SD" at 97.282,78.613 h1.52 r90
  text "CLK" at 87.249,77.851 h1.52
  text "D1" at 87.249,75.311 h1.52
  text "D0" at 87.249,72.771 h1.52
  text "RES" at 84.963,69.85 h1.52
  text "LDR" at 84.963,67.31 h1.52
  text "NTC" at 84.963,64.77 h1.52
  text "BUZZ" at 84.963,62.23 h1.52
  text "ADC" at 97.282,60.961 h1.52 r90
  text "HIGH" at 84.963,59.69 h1.52
  text "LOW" at 84.963,57.15 h1.52
  text "GND" at 83.185,51.689 h1.52
  text "RUN" at 83.185,49.149 h1.52
  text "SWDIO" at 83.185,46.609 h1.52
  text "DEBUG" at 97.282,45.086 h1.52 r90
  text "SWCLK" at 83.185,44.069 h1.52
  text "29" at 85.725,38.735 h1.52
  text "28" at 95.377,38.735 h1.52
  text "27" at 85.725,36.195 h1.52
  text "26" at 95.377,36.177 h1.52
  text "25" at 85.725,33.655 h1.52
  text "24" at 95.377,33.619 h1.52
  text "23" at 85.725,31.115 h1.52
  text "22" at 95.377,31.061 h1.52
  text "21" at 85.725,28.575 h1.52
  text "20" at 95.377,28.503 h1.52
  text "19" at 85.725,26.035 h1.52
  text "18" at 95.631,25.944 h1.52
  text "17" at 85.725,23.495 h1.52
  text "16" at 95.631,23.386 h1.52
  text "15" at 85.725,20.955 h1.52
  text "14" at 95.631,20.828 h1.52
  text "13" at 85.725,18.415 h1.52
  text "12" at 95.631,18.27 h1.52
  text "11" at 85.725,15.875 h1.52
  text "10" at 95.631,15.712 h1.52
  text "9" at 85.725,13.335 h1.52
  text "8" at 96.901,13.154 h1.52
  text "GND" at 65.024,12.827 h1.52
  text "5V" at 70.612,12.827 h1.52
  text "3V3" at 75.057,12.827 h1.52
  text "7" at 85.725,10.795 h1.52
  text "6" at 96.901,10.595 h1.52
  text "5" at 85.725,8.255 h1.52
  text "4" at 96.901,8.037 h1.52
  text "3" at 85.725,5.715 h1.52
  text "2" at 96.901,5.479 h1.52
  text "1" at 85.725,3.175 h1.52
  text "0" at 96.901,2.921 h1.52
Mechanical 1:
  the board outline again, w0.2

## Text inside footprints (layer, text, board x,y; h text height)
BAT？1: Top Overlay "-" at 31.461,81.311 h2.5 r180; Top Overlay "-" at 12.161,81.311 h2.5 r180; Top Overlay "+" at 31.461,21.825 h2.5 r90; Top Overlay "+" at 12.161,21.825 h2.5 r90
JP1: Top Overlay "30" at 91.186,41.021 h1.02 r90; Top Overlay "29" at 93.726,41.021 h1.02 r90; Top Overlay "2" at 91.186,1.397 h1.02 r90; Top Overlay "1" at 93.726,1.651 h1.02 r90
SD1: Top Overlay "Cd" at 81.928,86.045 h0.76 r90; Top Overlay "8" at 80.581,86.604 h0.76 r180; Top Overlay "7" at 79.464,86.63 h0.76 r180; Top Overlay "6" at 78.397,86.63 h0.76 r180; Top Overlay "5" at 77.33,86.63 h0.76 r180; Top Overlay "4" at 76.263,86.655 h0.76 r180; Top Overlay "3" at 75.07,86.655 h0.76 r180; Top Overlay "2" at 74.003,86.655 h0.76 r180; Top Overlay "1" at 72.911,86.68 h0.76 r180